# KiCad board motherboard.kicad_pcb (continued)
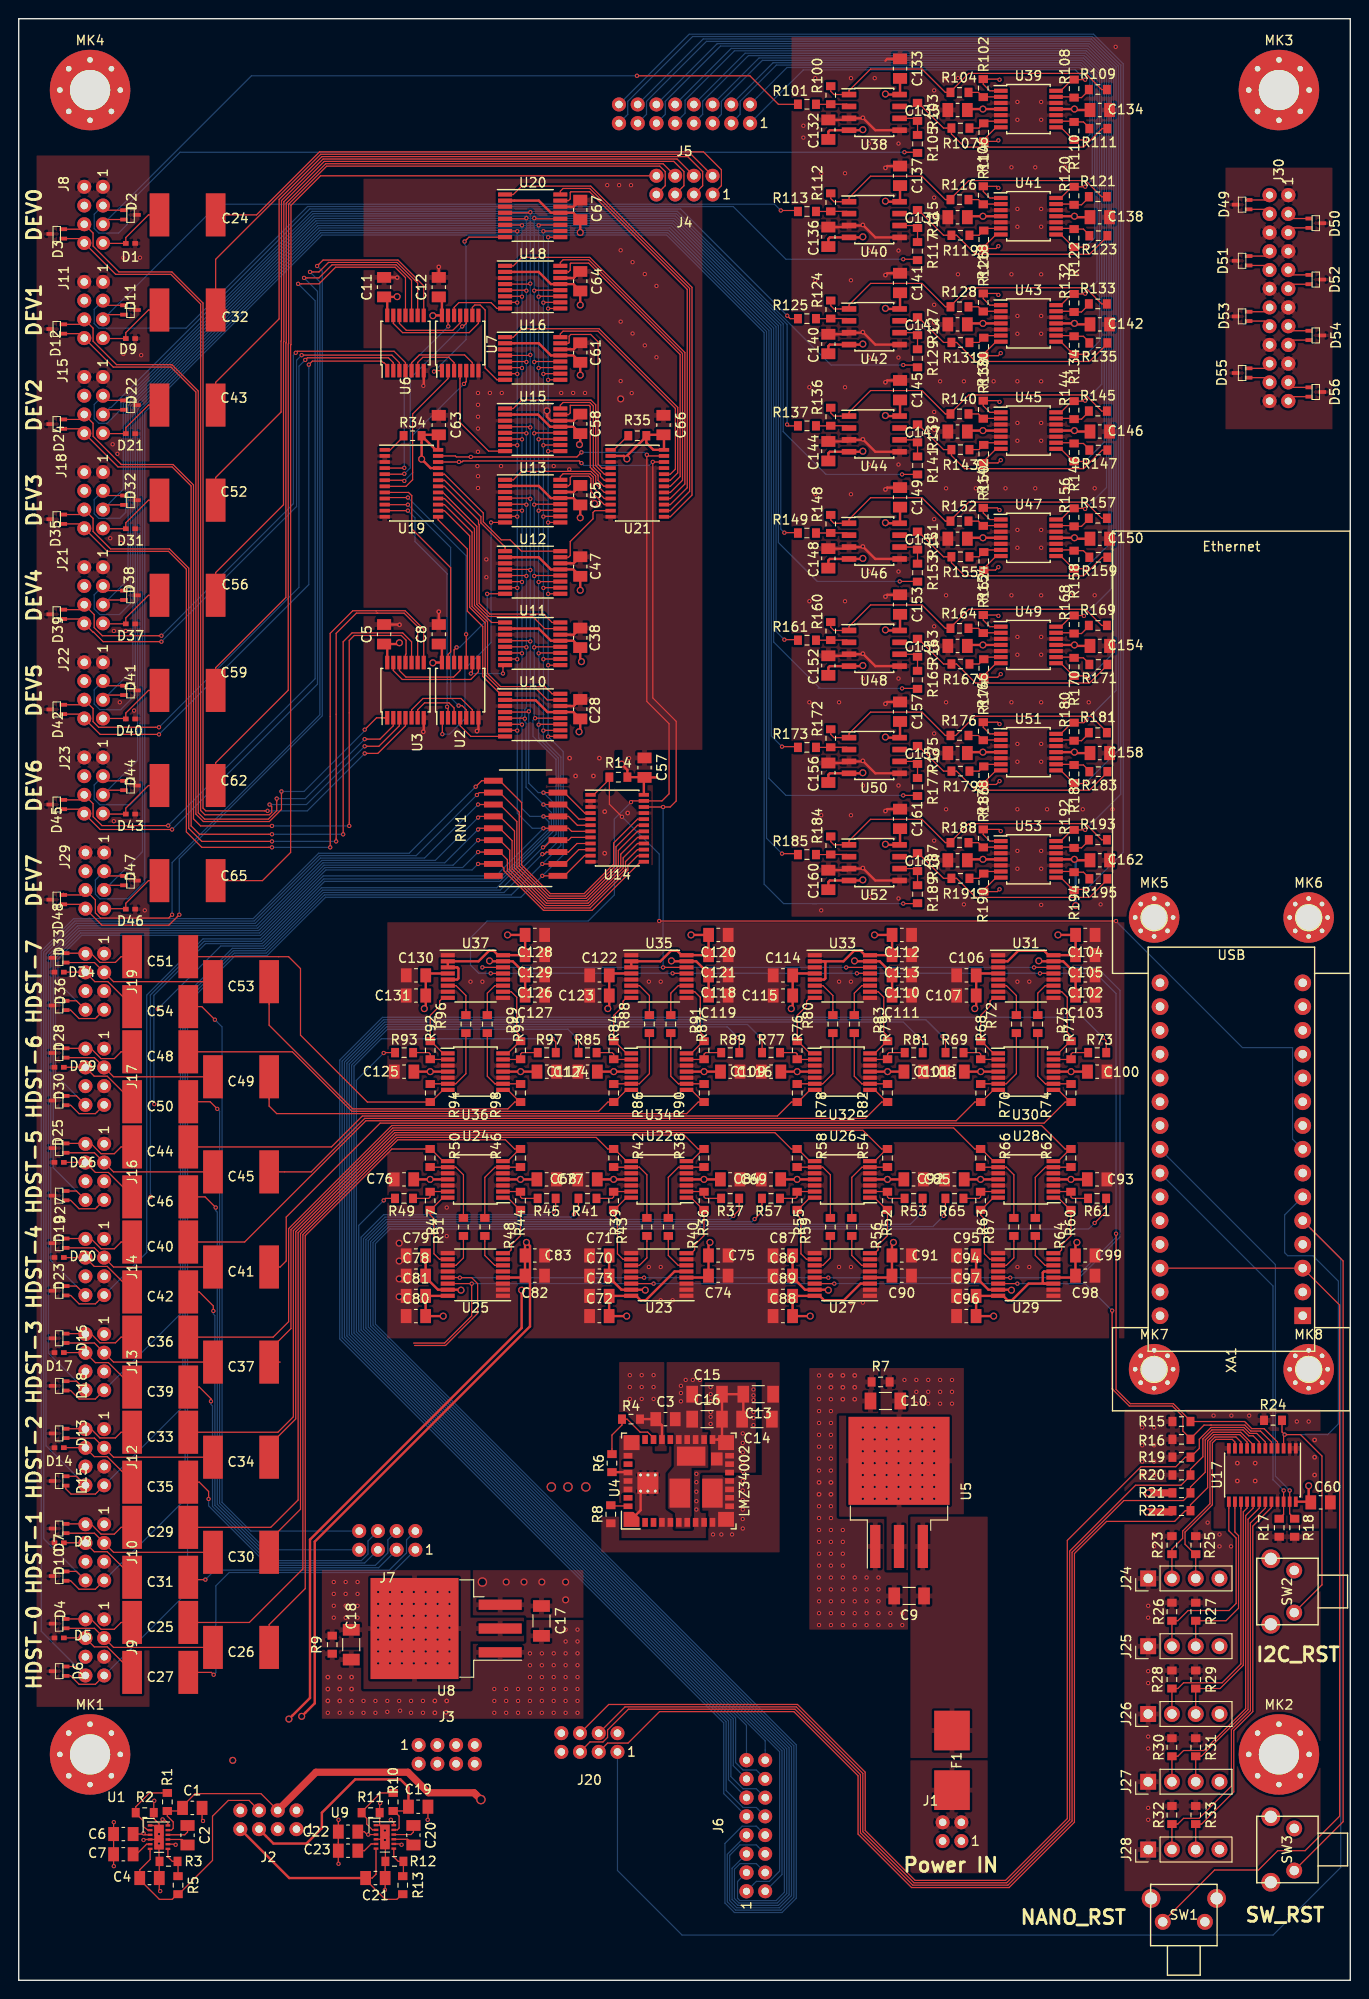
[diagram p0: board, top side]
## Routing (per net, layer and track width the routed paths; a pad name or vN(x,y) marks a point on that pad's centre or on a via; arc(x,y) is an arc through that point) (continued)
  Bottom w0.127: v1(55.07,188.25) v1(55.07,180.5) v1(55.07,172.88) v1(55.07,165.26) v1(55.07,157.64) v1(55.07,150.02) v1(55.07,142.4) 55.07,134.91 v1(55.16,134.83) 54.93,134.6 54.93,132.91 57.4,130.43 57.4,122.43 v1(56.01,121.03) 51.43,116.46 32.45,116.46 26.23,110.24 22.82,110.24 17.27,104.69 17.27,71.18 J13.7 ; v1(55.07,188.25) 56.75,188.25 ; v1(55.07,188.25) 55.07,188.57
/Audio Mux and Control/PTT-4: length 169.8
  Top w0.127: v1(53.25,141.12) 53.23,141.15 U11.7 ; U16.7 53.23,171.63 v1(53.25,171.6) ; U14.7 59.05,122.74 58.73,123.07 RN1.14 v1(56.05,123.07) ; U15.7 53.23,164.01 v1(53.25,163.98) ; U12.7 53.23,148.77 v1(53.25,148.74) ; v1(53.25,156.36) 53.23,156.39 U13.7 ; U18.7 53.23,179.25 v1(53.25,179.22) ; v1(53.25,186.84) 53.23,186.87 U20.7 ; v1(53.25,133.5) 53.23,133.53 U10.7 ; J14.7 8.19,72.26 6.45,72.26 5.54,73.16 D23.1
  Bottom w0.127: v1(53.25,186.84) v1(53.25,179.22) v1(53.25,171.6) v1(53.25,163.98) v1(53.25,156.36) v1(53.25,148.74) v1(53.25,141.12) v1(53.25,133.5) 53.25,124.67 54.86,123.07 v1(56.05,123.07) 50.97,117.98 32.54,117.98 25.81,111.25 19.69,111.25 13.68,105.24 13.68,77.75 J14.7
/Audio Mux and Control/PTT-5: length 168.2
  Top w0.127: U11.6 53.72,141.8 v1(53.76,141.76) ; v1(53.76,164.62) 53.72,164.66 U15.6 ; U14.6 59.67,123.39 58.73,124.34 RN1.15 v1(56.05,124.34) ; J16.7 8.19,82.42 6.45,82.42 5.54,83.32 D27.1 ; v1(53.76,134.14) 53.72,134.18 U10.6 ; U20.6 53.72,187.52 v1(53.76,187.48) ; U12.6 53.72,149.42 v1(53.76,149.38) ; U16.6 53.72,172.28 v1(53.76,172.24) ; v1(53.76,179.86) 53.72,179.9 U18.6 ; v1(53.76,157) 53.72,157.04 U13.6
  In1.Cu w0.127: J16.7 9.46,83.69 v1(14.1,83.69)
  Bottom w0.127: v1(14.1,83.69) 14.1,84.02 14.06,84.05 14.06,105.24 19.81,111 25.91,111 32.57,117.65 51.29,117.65 56.64,123 56.64,123.75 v1(56.05,124.34) 54.61,124.34 53.76,125.18 v1(53.76,134.14) 53.53,134.37 53.53,134.86 53.76,135.09 v1(53.76,141.76) v1(53.76,149.38) v1(53.76,157) v1(53.76,164.62) v1(53.76,172.24) v1(53.76,179.86) v1(53.76,187.48)
/Audio Mux and Control/PTT-6: length 162.5
  Top w0.127: v1(54.23,165.26) 54.18,165.31 U15.5 ; U14.5 59.85,124.04 58.28,125.61 RN1.16 56.05,125.61 v1(56.05,125.6) ; v1(54.23,142.4) 54.18,142.45 U11.5 ; U16.5 54.18,172.93 v1(54.23,172.88) ; U12.5 54.18,150.07 v1(54.23,150.02) ; v1(54.07,134.77) 54.01,134.83 U10.5 ; v1(54.23,157.64) 54.18,157.69 U13.5 ; J17.7 8.19,92.58 6.45,92.58 5.54,93.48 D30.1 ; U18.5 54.18,180.55 v1(54.23,180.5) ; v1(54.23,188.25) 54.15,188.17 U20.5
  In1.Cu w0.127: v1(14.48,93.6) 14.4,93.52 J17.7
  Bottom w0.127: v1(14.48,93.6) 14.48,93.92 14.44,93.96 14.44,105.22 19.96,110.74 26.02,110.74 32.67,117.4 51.4,117.4 56.9,122.9 56.9,124.76 v1(56.05,125.6) 54.19,127.46 54.19,134.33 54.07,134.45 v1(54.07,134.77) 54.07,135.76 54.23,135.92 v1(54.23,142.4) v1(54.23,150.02) v1(54.23,157.64) v1(54.23,165.26) v1(54.23,172.88) v1(54.23,180.5) v1(54.23,188.25) 54.23,188.57
/Audio Mux and Control/PTT-7: length 155.9
  Top w0.127: U18.4 54.59,181.2 v1(54.65,181.26) ; v1(54.65,188.88) 54.59,188.82 U20.4 ; U16.4 54.59,173.58 v1(54.65,173.64) ; v1(56.05,126.88) RN1.17 58.28,126.88 60.47,124.69 U14.4 ; J19.7 8.19,102.74 6.45,102.74 5.54,103.64 D36.1 ; U12.4 54.58,150.72 v1(54.65,150.65) ; v1(54.65,143.03) 54.58,143.1 U11.4 ; U10.4 54.41,135.48 v1(54.49,135.56) ; U15.4 54.58,165.96 v1(54.65,165.89) ; v1(54.65,158.27) 54.58,158.34 U13.4
  In1.Cu w0.127: J19.7 9.21,103.76 v1(14.86,103.76)
  Bottom w0.127: v1(14.86,103.76) 21.59,110.49 26.12,110.49 32.35,116.71 51.07,116.71 57.15,122.79 57.15,125.78 v1(56.05,126.88) 55.5,126.88 54.49,127.89 v1(54.49,135.56) 54.65,135.72 v1(54.65,143.03) v1(54.65,150.65) v1(54.65,158.27) v1(54.65,165.89) v1(54.65,173.64) v1(54.65,181.26) v1(54.65,188.88)
/Audio Mux and Control/PTT-DEV0: length 98.7
  Top w0.127: v1(26.8,125.6) 27.03,125.37 27.03,124.76 26.77,124.51 19.89,124.51 19.43,124.97 19.43,179.07 16.26,182.25 10.35,182.25 J8.8 6.53,186.06 D3.1 ; U3.3 40.66,134.02 38.47,131.83 v1(36.96,131.83)
  Bottom w0.127: v1(26.8,125.6) 30.73,125.6 v1(36.96,131.83)
/Audio Mux and Control/PTT-DEV1: length 88.7
  Top w0.127: D12.1 6.53,175.9 J11.8 10.1,172.34 16.26,172.34 18.92,169.67 18.92,124.59 19.72,123.79 26.77,123.79 28.07,125.09 v1(28.07,127) ; v1(36.96,133.6) 38.22,134.87 U3.1 39.01,134.87
  Bottom w0.127: v1(36.96,133.6) 36.96,133.48 30.48,127 v1(28.07,127)
/Audio Mux and Control/PTT-DEV2: length 100
  Top w0.127: v1(34.66,122.42) 34.66,142.99 35.61,143.94 41.01,143.94 41.96,142.99 U3.10 ; v1(27.05,122.43) 19.3,122.43 18.42,123.32 18.42,159.64 16.38,161.67 10.6,161.67 J15.8 6.53,165.74 D24.1
  Bottom w0.127: v1(27.05,122.43) 34.65,122.43 v1(34.66,122.42)
/Audio Mux and Control/PTT-DEV3: length 97.6
  Top w0.127: v1(27.05,121.03) 19.56,121.03 17.91,122.68 17.91,150.75 16,152.65 9.46,152.65 J18.8 6.53,155.58 D35.1 ; 38.23,146.3 35.69,146.3 33.27,143.89 v1(33.27,121.03) ; 38.23,146.3 41.27,146.3 43.26,144.31 U3.8 ; 38.23,146.3 38.1,146.3
  Bottom w0.127: v1(27.05,121.03) v1(33.27,121.03)
/Audio Mux and Control/PTT-DEV4: length 60.5
  Top w0.127: 40.66,171.34 U6.3 40.66,172.81 39.86,173.61 30.26,173.61 ; v1(15.24,143) 9.02,143 8,144.01 7.94,144.01 J21.8 6.53,145.42 D39.1
  Bottom w0.127: v1(30.23,173.61) 29.68,173.06 29.68,157.44 v1(15.24,143)
/Audio Mux and Control/PTT-DEV5: length 66.5
  Top w0.127: D42.1 6.53,135.26 J22.8 8.7,133.1 v1(14.99,133.1) ; U6.1 39.36,172.46 39.01,172.81 38.94,172.81 38.77,172.97 31.37,172.97 v1(30.99,172.59)
  Bottom w0.127: v1(14.99,133.1) 30.99,149.1 v1(30.99,172.59)
/Audio Mux and Control/PTT-DEV6: length 95
  Top w0.127: v1(16.38,122.94) 8.7,122.94 J23.8 6.53,125.1 D45.1 ; v1(30.48,181.86) 32.07,181.86 33.47,183.26 40.3,183.26 41.96,181.6 U6.10
  Bottom w0.127: v1(16.38,122.94) 31.92,138.47 31.92,180.43 v1(30.48,181.86)
/Audio Mux and Control/PTT-DEV7: length 105.6
  Top w0.127: v1(17.15,113.83) 16.04,112.71 8.89,112.71 J29.8 6.66,114.94 D48.1 ; v1(31.88,183.13) 32.51,183.77 40.51,183.77 43.26,181.02 U6.8
  Bottom w0.127: v1(17.15,113.83) 17.15,119.81 32.42,135.08 32.42,182.59 v1(31.88,183.13)
/Audio Mux and Control/R_OUT0: length 97.1
  Top w0.127: v1(38.99,83.31) 39.2,83.53 R49.2
  Bottom w0.127: v1(38.99,83.31) 36.32,80.64 36.32,69.37 81.28,24.41 81.28,11.66 80.19,10.57 78.8,10.57 J6.1
/Audio Mux and Control/R_OUT1: length 122.5
  Top w0.127: R41.2 59.79,82.31 v1(59.31,81.83)
  Bottom w0.127: J6.3 76.79,10.56 76.79,8.77 77.05,8.51 80.9,8.51 81.79,9.4 81.79,24.62 36.83,69.58 36.83,79.23 39.14,81.53 59.02,81.53 v1(59.31,81.83)
/Audio Mux and Control/R_OUT2: length 145.6
  Top w0.127: v1(78.61,81.32) 79.39,82.1 R57.2
  Bottom w0.127: v1(78.61,81.32) 78.32,81.03 39.35,81.03 37.34,79.02 37.34,69.79 82.3,24.83 82.3,9.14 81.15,8 76.83,8 76.2,8.64 76.2,11.97 J6.5
/Audio Mux and Control/R_OUT3: length 168.7
  Top w0.127: R65.2 98.99,81.85 v1(98.81,81.66)
  Bottom w0.127: v1(98.81,81.66) 97.66,80.52 39.56,80.52 37.85,78.81 37.85,70 82.8,25.04 82.8,8.89 81.41,7.49 76.58,7.49 75.69,8.38 75.69,13.46 J6.7
/Audio Mux and Control/R_OUT4: length 184.9
  Top w0.127: R73.2 116.17,100.37 v1(115.82,100.71)
  Bottom w0.127: J6.9 75.31,19.94 75.31,27.5 34.29,68.52 34.29,98.29 38.87,102.87 113.66,102.87 v1(115.82,100.71)
/Audio Mux and Control/R_OUT5: length 161.9
  Top w0.127: v1(96.14,100.71) 96.57,100.28 R81.2
  Bottom w0.127: J6.11 75.82,21.43 75.82,27.72 34.8,68.74 34.8,98.08 39.08,102.36 94.49,102.36 v1(96.14,100.71)
/Audio Mux and Control/R_OUT6: length 139.3
  Top w0.127: R89.2 76.97,100.58 v1(76.84,100.71)
  Bottom w0.127: v1(76.84,100.71) 75.69,101.85 39.29,101.85 35.31,97.87 35.31,68.95 76.33,27.93 76.33,22.92 J6.13
/Audio Mux and Control/R_OUT7: length 115.6
  Top w0.127: v1(57.02,100.58) 57.37,100.24 R97.2
  Bottom w0.127: J6.15 77.74,27.23 35.81,69.16 35.81,97.66 38.73,100.58 v1(57.02,100.58)
/Audio Mux and Control/RPI-PTT-0: length 28
  Top w0.127: U2.5 47.81,135.72 47.36,136.17 v1(46.99,136.17) ; v1(41.57,157.63) 39.11,157.63 U19.10
  Bottom w0.127: v1(41.57,157.63) 46.14,153.06 46.14,137.02 v1(46.99,136.17)
/Audio Mux and Control/RPI-PTT-1: length 22.7
  Top w0.127: U2.10 47.81,143.78 v1(47.79,143.79) ; U19.9 39.2,158.4 v1(41.57,158.4)
  Bottom w0.127: v1(41.57,158.4) 47.79,152.17 v1(47.79,143.79)
/Audio Mux and Control/RPI-PTT-2: length 22.7
  Top w0.127: U19.8 41.64,158.94 41.99,158.6 41.99,155.06 46.14,150.9 46.14,141.91 45.86,141.62 U2.13
/Audio Mux and Control/RPI-PTT-3: length 26.4
  Top w0.127: U2.2 45.86,135.95 v1(45.76,136.04) ; v1(41.57,157) 39.1,157 U19.11
  Bottom w0.127: v1(41.57,157) 42.33,156.24 42.33,153.7 45.76,150.27 v1(45.76,136.04)
/Audio Mux and Control/RPI-PTT-4: length 16.6
  Top w0.127: U7.5 47.81,170.79 v1(47.56,170.54) ; U19.6 41.12,160.24 v1(41.19,160.17)
  Bottom w0.127: v1(41.19,160.17) 42.08,161.06 42.08,165.06 v1(47.56,170.54)
/Audio Mux and Control/RPI-PTT-5: length 21.8
  Top w0.127: v1(47.37,176.68) 47.48,176.68 47.81,177 U7.10 ; U19.5 41.15,160.89 v1(41.19,160.94)
  Bottom w0.127: v1(47.37,176.68) 41.82,171.12 41.82,161.57 v1(41.19,160.94)
/Audio Mux and Control/RPI-PTT-6: length 20.3
  Top w0.127: v1(41.19,161.57) 41.16,161.54 U19.4 ; v1(45.89,176.68) 45.86,176.71 U7.13
  Bottom w0.127: v1(45.89,176.68) 41.19,171.98 v1(41.19,161.57)
/Audio Mux and Control/RPI-PTT-7: length 16.5
  Top w0.127: U7.2 45.86,171.1 42.08,167.32 42.08,160.3 41.37,159.59 U19.7
/Audio Mux and Control/Stereo Amplifier 0/L_OUT: length 80.6
  Top w0.127: C25.2 24.64,38.23 30.35,43.94 30.35,79.65 40.49,89.79 51.99,89.79 52.97,88.81 R46.1 53.52,88.81 52.22,87.51 U24.7
/Audio Mux and Control/Stereo Amplifier 0/R_OUT: length 65.2
  Top w0.127: U24.8 45.32,87.51 44.03,88.81 R50.1 39.86,88.81 30.61,79.55 30.61,41.85 26.75,37.99 C26.2
/Audio Mux and Control/Stereo Amplifier 1/L_OUT: length 92.2
  Top w0.127: U22.7 71.82,87.51 73.12,88.81 R38.1 72.57,88.81 71.08,90.3 40.28,90.3 29.85,79.86 29.85,51.31 26.92,48.39 C29.2
/Audio Mux and Control/Stereo Amplifier 1/R_OUT: length 76.1
  Top w0.127: U22.8 64.92,87.51 63.63,88.81 R42.1 62.92,88.81 61.69,90.04 40.38,90.04 30.1,79.76 30.1,50.32 26.75,46.97 C30.2
/Audio Mux and Control/Stereo Amplifier 2/L_OUT: length 102.9
  Top w0.127: U26.7 91.42,87.51 92.72,88.81 R54.1 92.17,88.81 90.18,90.8 40.07,90.8 29.34,80.08 29.34,60.2 27.69,58.55 C33.2
/Audio Mux and Control/Stereo Amplifier 2/R_OUT: length 86.3
  Top w0.127: C34.2 26.75,57.13 29.59,59.97 29.59,79.97 40.17,90.55 80.78,90.55 82.52,88.81 R58.1 83.23,88.81 84.52,87.51 U26.8
/Audio Mux and Control/Stereo Amplifier 3/L_OUT: length 112.9
  Top w0.127: C36.2 27.18,68.71 28.83,70.36 28.83,80.29 39.86,91.31 109.27,91.31 111.77,88.81 R62.1 112.32,88.81 111.02,87.51 U28.7
/Audio Mux and Control/Stereo Amplifier 3/R_OUT: length 97.8
  Top w0.127: 27.93,66.04 C37.2 26.75,67.29 29.08,69.62 29.08,80.18 39.96,91.06 99.87,91.06 102.12,88.81 R66.1 102.83,88.81 104.12,87.51 U28.8
/Audio Mux and Control/Stereo Amplifier 4/L_OUT: length 93.3
  Top w0.127: U30.7 104.14,95.12 102.84,93.82 R70.1 102.13,93.82 100.13,91.82 37.08,91.82 24.13,78.87 C40.2
/Audio Mux and Control/Stereo Amplifier 4/R_OUT: length 98.1
  Top w0.127: C41.2 27.93,76.2 28.57,76.85 28.57,81.53 38.61,91.57 109.53,91.57 111.79,93.82 R74.1 112.34,93.82 111.04,95.12 U30.8
/Audio Mux and Control/Stereo Amplifier 5/L_OUT: length 69.4
  Top w0.127: U32.7 84.54,95.12 83.24,93.82 R78.1 82.53,93.82 81.04,92.33 36.7,92.33 33.4,89.03 C44.2
/Audio Mux and Control/Stereo Amplifier 5/R_OUT: length 71.6
  Top w0.127: C45.2 31.24,86.36 36.96,92.08 90.44,92.08 92.19,93.82 R82.1 92.74,93.82 91.44,95.12 U32.8
/Audio Mux and Control/Stereo Amplifier 6/L_OUT: length 50.9
  Top w0.127: C48.2 29.23,99.19 35.58,92.84 61.95,92.84 62.93,93.82 R86.1 63.64,93.82 64.94,95.12 U34.7
/Audio Mux and Control/Stereo Amplifier 6/R_OUT: length 55.3
  Top w0.127: 26.75,94.09 C49.2 26.75,93.39 27.56,92.58 71.35,92.58 72.59,93.82 R90.1 73.14,93.82 71.84,95.12 U34.8
/Audio Mux and Control/Stereo Amplifier 7/L_OUT: length 38.9
  Top w0.127: C51.2 28.83,109.35 30.1,108.08 30.1,100.97 37.24,93.82 R94.1 44.04,93.82 45.34,95.12 U36.7
/Audio Mux and Control/Stereo Amplifier 7/R_OUT: length 40.4
  Top w0.127: U36.8 52.24,95.12 53.54,93.82 R98.1 52.99,93.82 52.26,93.09 35.69,93.09 26.75,102.03 C53.2 26.75,104.25
Net-(C2-Pad1): length 2.9
  Top w0.127: U1.10 17.74,15.54 18.03,15.84 C2.1
Net-(C2-Pad2): length 2.3
  Top w0.127: U1.9 17.45,15.04 C2.2
Net-(C7-Pad1): length 2.3
  Top w0.127: U1.5 13.66,14.54 12.58,13.46 C7.1
Net-(C20-Pad1): length 2.9
  Top w0.127: C20.1 42.16,15.84 41.89,15.57 U9.10
Net-(C20-Pad2): length 2.4
  Top w0.127: U9.9 41.55,15.07 C20.2
Net-(C23-Pad1): length 2.2
  Top w0.127: C23.1 36.92,13.84 37.64,14.57 U9.5
Net-(C24-Pad2): length 7.7
  Top w0.127: J8.7 9.05,185.55 D1.1 11.44,186.18 13.86,188.6 C24.2
Net-(C25-Pad1): length 7.9
  Top w0.127: C25.1 10.94,38.23 10.21,37.5 8.8,37.5 7.74,38.56 J9.2 7.09,38.6 D4.2
Net-(C26-Pad1): length 16.6
  Top w0.127: D4.1 8.09,37.6 J9.3 10.13,35.56 C26.1
Net-(C27-Pad1): length 8.9
  Top w0.127: C27.1 12.11,32.97 9.46,35.62 8.07,35.62 J9.4 7.11,36.58 D5.2
Net-(C29-Pad1): length 7.9
  Top w0.127: C29.1 10.94,48.39 10.21,47.66 8.8,47.66 7.74,48.72 J10.2 7.09,48.76 D7.2
Net-(C30-Pad1): length 16.6
  Top w0.127: D7.1 8.09,47.76 J10.3 10.13,45.72 C30.1
Net-(C31-Pad1): length 8.9
  Top w0.127: C31.1 12.11,43.13 9.46,45.78 8.07,45.78 J10.4 7.11,46.74 D8.2
Net-(C32-Pad2): length 7.7
  Top w0.127: J11.7 9.05,175.39 D9.1 11.44,176.02 13.86,178.44 C32.2
Net-(C33-Pad1): length 7.8
  Top w0.127: D13.2 7.09,58.92 J12.2 7.74,58.88 8.68,57.94 10.33,57.94 10.94,58.55 C33.1
Net-(C34-Pad1): length 16.6
  Top w0.127: C34.1 10.13,55.88 J12.3 8.09,57.92 D13.1
Net-(C35-Pad1): length 8.9
  Top w0.127: D14.2 7.11,56.9 J12.4 8.07,55.94 9.46,55.94 12.11,53.29 C35.1
Net-(C36-Pad1): length 7.8
  Top w0.127: C36.1 10.94,68.71 10.33,68.1 8.68,68.1 7.74,69.04 J13.2 7.09,69.08 D16.2
Net-(C37-Pad1): length 16.6
  Top w0.127: C37.1 10.13,66.04 J13.3 8.09,68.08 D16.1
Net-(C39-Pad1): length 8.9
  Top w0.127: D17.2 7.11,67.06 J13.4 8.19,65.98 9.58,65.98 12.11,63.45 C39.1
Net-(C40-Pad1): length 7.9
  Top w0.127: C40.1 10.94,78.87 10.21,78.14 8.8,78.14 7.74,79.2 J14.2 7.09,79.24 D19.2
Net-(C41-Pad1): length 16.6
  Top w0.127: C41.1 10.13,76.2 J14.3 8.09,78.24 D19.1
Net-(C42-Pad1): length 8.9
  Top w0.127: D20.2 4.83,77.2 J14.4 8.07,76.26 9.46,76.26 12.11,73.61 C42.1
Net-(C43-Pad2): length 7.7
  Top w0.127: C43.2 13.86,168.28 11.44,165.86 D21.1 9.05,165.23 J15.7
Net-(C44-Pad1): length 7.9
  Top w0.127: D25.2 7.09,89.4 J16.2 7.74,89.36 8.8,88.3 10.21,88.3 10.94,89.03 C44.1
Net-(C45-Pad1): length 16.6
  Top w0.127: C45.1 10.13,86.36 J16.3 8.09,88.4 D25.1
Net-(C46-Pad1): length 8.9
  Top w0.127: C46.1 12.11,83.77 9.58,86.3 8.19,86.3 J16.4 7.11,87.38 D26.2
Net-(C48-Pad1): length 7.9
  Top w0.127: D28.2 7.09,99.56 J17.2 7.74,99.52 8.8,98.46 10.21,98.46 10.94,99.19 C48.1
Net-(C49-Pad1): length 16.6
  Top w0.127: D28.1 8.09,98.56 J17.3 10.13,96.52 C49.1
Net-(C50-Pad1): length 8.9
  Top w0.127: D29.2 7.11,97.54 J17.4 8.07,96.58 9.46,96.58 12.11,93.93 C50.1
Net-(C51-Pad1): length 7.8
  Top w0.127: D33.2 7.09,109.72 J19.2 7.74,109.68 8.68,108.74 10.33,108.74 10.94,109.35 C51.1
Net-(C52-Pad2): length 7.7
  Top w0.127: J18.7 9.05,155.07 D31.1 11.44,155.7 13.86,158.12 C52.2
Net-(C53-Pad1): length 16.6
  Top w0.127: D33.1 8.09,108.72 J19.3 10.13,106.68 C53.1
Net-(C54-Pad1): length 8.9
  Top w0.127: C54.1 12.11,104.09 9.52,106.68 8.13,106.68 J19.4 7.11,107.7 D34.2
Net-(C56-Pad2): length 7.7
  Top w0.127: C56.2 13.86,147.96 11.44,145.54 D37.1 9.05,144.91 J21.7
Net-(C59-Pad2): length 7.8
  Top w0.127: J22.7 11.39,134.8 D40.1 11.44,135.38 13.86,137.8 C59.2
  Top w0.254: D40.1 11.44,134.63
Net-(C62-Pad2): length 7.7
  Top w0.127: C62.2 13.86,127.64 11.44,125.22 D43.1 9.05,124.59 J23.7
Net-(C65-Pad2): length 7.6
  Top w0.127: J29.7 11.39,114.48 D46.1 11.44,115.06 13.86,117.48 C65.2
Net-(R1-Pad2): length 7.3
  Top w0.127: R1.2 13.98,20.01 12.5,18.53 R2.1 12.5,17.83 13.34,16.99 13.34,16.38 13.74,16.1 13.8,16.04 U1.2
Net-(R3-Pad2): length 3.7
  Top w0.127: R5.1 17.02,12.65 R3.2 16.41,12.7 15.94,13.18 U1.7
Net-(R4-Pad2): length 8.6
  Top w0.127: R6.1 63.37,58.25 64.44,59.32 R4.2 64.99,59.94 66.38,58.56 67.19,58.56 67.81,57.94 67.81,57.76
Net-(R8-Pad1): length 1.8
  Top w0.127: U4.36 65.05,50.67 63.32,50.67
Net-(R10-Pad2): length 7
  Top w0.127: U9.2 37.79,16.07 37.18,16.68 37.18,17.28 36.63,17.83 R11.1 36.63,17.98 38.66,20.01 R10.2
Net-(R12-Pad2): length 3.7
  Top w0.127: R13.1 41.09,11.2 R12.2 40.54,12.7 40.07,13.18 U9.7
Net-(R34-Pad2): length 2.7
  Top w0.127: U19.1 39.69,163.49 41.11,164.92 R34.2
Net-(R35-Pad2): length 2.5
  Top w0.127: U21.1 63.58,163.49 65.08,165 R35.2
Net-(R36-Pad1): length 8.1
  Top w0.127: U23.8 71.85,77.67 72.2,78.03 72.2,78.55 73.2,79.55 R36.1 73.12,82.31 71.82,83.61 U22.1
Net-(R36-Pad2): length 4.3
  Top w0.127: R37.1 73.36,83.53 73.2,83.69 R36.2 73.18,84.26 U22.2
Net-(R38-Pad2): length 8.6
  Top w0.127: R40.1 69.39,85.78 70.47,86.86 U22.6 73.18,86.86 R38.2
Net-(R39-Pad1): length 9
  Top w0.127: U23.10 64.55,77.02 63.96,77.61 63.96,81.35 63.55,81.76 R39.1 63.63,82.31 64.92,83.61 U22.14
Net-(R39-Pad2): length 4.3
  Top w0.127: R41.1 63.39,83.53 63.55,83.69 R39.2 63.57,84.26 U22.13
Net-(R40-Pad2): length 4.5
  Top w0.127: U23.6 70.45,76.37 69.39,77.43 R40.2
Net-(R42-Pad2): length 8.5
  Top w0.127: R42.2 63.57,86.86 U22.9 66.3,86.86 67.1,86.05 R43.1
Net-(R43-Pad2): length 4.4
  Top w0.127: U23.11 66.3,76.37 67.1,77.18 R43.2
Net-(R44-Pad1): length 8.1
  Top w0.127: U25.8 52.25,77.67 52.6,78.03 52.6,78.55 53.6,79.55 R44.1 53.52,82.31 52.22,83.61 U24.1
Net-(R44-Pad2): length 4.3
  Top w0.127: U24.2 53.58,84.26 R44.2 53.6,83.69 53.76,83.53 R45.1
Net-(R46-Pad2): length 8.6
  Top w0.127: R46.2 53.58,86.86 U24.6 50.87,86.86 49.79,85.78 R48.1
Net-(R47-Pad1): length 9
  Top w0.127: U24.14 45.32,83.61 44.03,82.31 R47.1 43.95,81.76 44.36,81.35 44.36,77.61 44.95,77.02 U25.10
Net-(R47-Pad2): length 4.3
  Top w0.127: R49.1 43.79,83.53 43.95,83.69 R47.2 43.97,84.26 U24.13
Net-(R48-Pad2): length 4.5
  Top w0.127: U25.6 50.85,76.37 49.79,77.43 R48.2
Net-(R50-Pad2): length 8.5
  Top w0.127: R50.2 43.97,86.86 U24.9 46.7,86.86 47.5,86.05 R51.1
Net-(R51-Pad2): length 4.4
  Top w0.127: U25.11 46.7,76.37 47.5,77.18 R51.2
Net-(R52-Pad1): length 8.1
  Top w0.127: U27.8 91.45,77.67 91.8,78.03 91.8,78.55 92.8,79.55 R52.1 92.72,82.31 91.42,83.61 U26.1
Net-(R52-Pad2): length 4.3
  Top w0.127: U26.2 92.78,84.26 R52.2 92.8,83.69 92.96,83.53 R53.1
Net-(R54-Pad2): length 8.6
  Top w0.127: R56.1 88.99,85.78 90.07,86.86 U26.6 92.78,86.86 R54.2
Net-(R55-Pad1): length 9
  Top w0.127: U27.10 84.15,77.02 83.56,77.61 83.56,81.35 83.15,81.76 R55.1 83.23,82.31 84.52,83.61 U26.14
Net-(R55-Pad2): length 4.3
  Top w0.127: U26.13 83.17,84.26 R55.2 83.15,83.69 82.99,83.53 R57.1
Net-(R56-Pad2): length 4.5
  Top w0.127: R56.2 88.99,77.43 90.05,76.37 U27.6
Net-(R58-Pad2): length 8.5
  Top w0.127: R58.2 83.17,86.86 U26.9 85.9,86.86 86.7,86.05 R59.1
Net-(R59-Pad2): length 4.4
  Top w0.127: R59.2 86.7,77.18 85.9,76.37 U27.11
Net-(R60-Pad1): length 8.1
  Top w0.127: U28.1 111.02,83.61 112.32,82.31 R60.1 112.4,79.55 111.4,78.55 111.4,78.03 111.05,77.67 U29.8
Net-(R60-Pad2): length 4.3
  Top w0.127: R61.1 112.56,83.53 112.4,83.69 R60.2 112.38,84.26 U28.2
Net-(R62-Pad2): length 8.6
  Top w0.127: R62.2 112.38,86.86 U28.6 109.67,86.86 108.59,85.78 R64.1
Net-(R63-Pad1): length 9
  Top w0.127: U29.10 103.75,77.02 103.16,77.61 103.16,81.35 102.75,81.76 R63.1 102.83,82.31 104.12,83.61 U28.14
Net-(R63-Pad2): length 4.3
  Top w0.127: U28.13 102.77,84.26 R63.2 102.75,83.69 102.59,83.53 R65.1
Net-(R64-Pad2): length 4.5
  Top w0.127: R64.2 108.59,77.43 109.65,76.37 U29.6
Net-(R66-Pad2): length 8.5
  Top w0.127: R67.1 106.3,86.05 105.5,86.86 U28.9 102.77,86.86 R66.2
Net-(R67-Pad2): length 4.4
  Top w0.127: R67.2 106.3,77.18 105.5,76.37 U29.11
Net-(R68-Pad1): length 8.1
  Top w0.127: U30.1 104.14,99.02 102.84,100.32 R68.1 102.76,103.08 103.76,104.08 103.76,104.6 104.11,104.95 U31.8
Net-(R68-Pad2): length 4.3
  Top w0.127: R69.1 102.6,99.1 102.76,98.94 R68.2 102.78,98.37 U30.2
Net-(R70-Pad2): length 8.6
  Top w0.127: R70.2 102.78,95.77 U30.6 105.49,95.77 106.57,96.85 R72.1
Net-(R71-Pad1): length 9
  Top w0.127: U30.14 111.04,99.02 112.34,100.32 R71.1 112.41,100.87 112,101.28 112,105.01 111.41,105.6 U31.10
Net-(R71-Pad2): length 4.3
  Top w0.127: U30.13 112.39,98.37 R71.2 112.41,98.94 112.57,99.1 R73.1
Net-(R72-Pad2): length 4.5
  Top w0.127: R72.2 106.57,105.2 105.51,106.25 U31.6
Net-(R74-Pad2): length 8.5
  Top w0.127: R74.2 112.39,95.77 U30.9 109.67,95.77 108.86,96.58 R75.1
Net-(R75-Pad2): length 4.4
  Top w0.127: R75.2 108.86,105.45 109.66,106.25 U31.11
Net-(R76-Pad1): length 8.1
  Top w0.127: U32.1 84.54,99.02 83.24,100.32 R76.1 83.16,103.08 84.16,104.08 84.16,104.6 84.51,104.95 U33.8
Net-(R76-Pad2): length 4.3
  Top w0.127: U32.2 83.18,98.37 R76.2 83.16,98.94 83,99.1 R77.1
Net-(R78-Pad2): length 8.6
  Top w0.127: R80.1 86.97,96.85 85.89,95.77 U32.6 83.18,95.77 R78.2
Net-(R79-Pad1): length 9
  Top w0.127: U33.10 91.81,105.6 92.4,105.01 92.4,101.28 92.81,100.87 R79.1 92.74,100.32 91.44,99.02 U32.14
Net-(R79-Pad2): length 4.3
  Top w0.127: U32.13 92.79,98.37 R79.2 92.81,98.94 92.97,99.1 R81.1
Net-(R80-Pad2): length 4.5
  Top w0.127: R80.2 86.97,105.2 85.91,106.25 U33.6
Net-(R82-Pad2): length 8.5
  Top w0.127: R82.2 92.79,95.77 U32.9 90.07,95.77 89.26,96.58 R83.1
Net-(R83-Pad2): length 4.4
  Top w0.127: U33.11 90.06,106.25 89.26,105.45 R83.2
Net-(R84-Pad1): length 8.1
  Top w0.127: U34.1 64.94,99.02 63.64,100.32 R84.1 63.56,103.08 64.56,104.08 64.56,104.6 64.91,104.95 U35.8
Net-(R84-Pad2): length 4.3
  Top w0.127: R85.1 63.4,99.1 63.56,98.94 R84.2 63.58,98.37 U34.2
Net-(R86-Pad2): length 8.6
  Top w0.127: R88.1 67.37,96.85 66.29,95.77 U34.6 63.58,95.77 R86.2
Net-(R87-Pad1): length 9
  Top w0.127: U34.14 71.84,99.02 73.14,100.32 R87.1 73.21,100.87 72.8,101.28 72.8,105.01 72.21,105.6 U35.10
Net-(R87-Pad2): length 4.3
  Top w0.127: U34.13 73.19,98.37 R87.2 73.21,98.94 73.37,99.1 R89.1
Net-(R88-Pad2): length 4.5
  Top w0.127: R88.2 67.37,105.2 66.31,106.25 U35.6
Net-(R90-Pad2): length 8.5
  Top w0.127: R90.2 73.19,95.77 U34.9 70.47,95.77 69.66,96.58 R91.1
Net-(R91-Pad2): length 4.4
  Top w0.127: U35.11 70.46,106.25 69.66,105.45 R91.2
Net-(R92-Pad1): length 8.1
  Top w0.127: U36.1 45.34,99.02 44.04,100.32 R92.1 43.96,103.08 44.96,104.08 44.96,104.6 45.31,104.95 U37.8
Net-(R92-Pad2): length 4.3
  Top w0.127: R93.1 43.8,99.1 43.96,98.94 R92.2 43.98,98.37 U36.2
Net-(R94-Pad2): length 8.6
  Top w0.127: R96.1 47.77,96.85 46.69,95.77 U36.6 43.98,95.77 R94.2
Net-(R95-Pad1): length 9
  Top w0.127: U37.10 52.61,105.6 53.2,105.01 53.2,101.28 53.61,100.87 R95.1 53.54,100.32 52.24,99.02 U36.14
Net-(R95-Pad2): length 4.3
  Top w0.127: U36.13 53.59,98.37 R95.2 53.61,98.94 53.77,99.1 R97.1
Net-(R96-Pad2): length 4.5
  Top w0.127: U37.6 46.71,106.25 47.77,105.2 R96.2
Net-(R98-Pad2): length 8.5
  Top w0.127: R98.2 53.59,95.77 U36.9 50.87,95.77 50.06,96.58 R99.1
Net-(R99-Pad2): length 4.4
  Top w0.127: R99.2 50.06,105.45 50.86,106.25 U37.11
Net-(R100-Pad1): length 34.2
  Top w0.127: R100.1 86.74,201.8 87.09,201.45 U38.1 88.7,201.88 91,204.18 96.48,204.18 98.98,201.68 R104.2 99.53,201.76 101.49,203.71 113.96,203.71 115.69,201.98 R109.2
Net-(R100-Pad2): length 3.6
  Top w0.127: R101.1 86.73,200.41 R100.2 88.46,200.42 U38.2
Net-(R102-Pad2): length 3.7
  Top w0.127: R104.1 102.53,201.68 R102.2 103.06,201.2 U39.2
Net-(R103-Pad1): length 25.5
  Top w0.127: U38.7 95.62,200.18 R103.1 96.09,200.57 98.79,197.87 R107.2 99.63,197.24 101.04,195.84 113.76,195.84 115.74,197.82 R111.2
Net-(R103-Pad2): length 3.5
  Top w0.127: R105.1 R103.2 95.74,198.91 U38.6
Net-(R106-Pad2): length 3.7
  Top w0.127: U39.6 103.31,198.6 R106.2 102.58,197.87 R107.1
Net-(R108-Pad2): length 3.9
  Top w0.127: R109.1 114.31,201.91 113.53,201.12 R108.2 112.66,201.2 U39.13
Net-(R110-Pad2): length 3.9
  Top w0.127: R111.1 114.37,197.89 113.73,198.53 R110.2 112.66,198.6 U39.9
Net-(R112-Pad1): length 34.2
  Top w0.127: R112.1 86.74,190.35 87.09,190 U40.1 88.7,190.43 91,192.73 96.48,192.73 98.98,190.23 R116.2 99.53,190.31 101.49,192.26 113.96,192.26 115.69,190.53 R121.2
Net-(R112-Pad2): length 3.6
  Top w0.127: R113.1 86.73,188.96 R112.2 88.46,188.97 U40.2
Net-(R114-Pad2): length 3.7
  Top w0.127: U41.2 103.06,189.75 R114.2 102.53,190.23 R116.1
Net-(R115-Pad1): length 25.2
  Top w0.127: R123.2 116.29,186.29 114.39,184.39 102.22,184.39 100.18,186.42 R119.2 98.79,186.42 96.09,189.12 R115.1 95.62,188.73 U40.7
Net-(R115-Pad2): length 3.5
  Top w0.127: R117.1 R115.2 95.74,187.46 U40.6
Net-(R118-Pad2): length 3.7
  Top w0.127: R119.1 102.58,186.42 R118.2 103.31,187.15 U41.6
Net-(R120-Pad2): length 3.9
  Top w0.127: R121.1 114.31,190.46 113.53,189.67 R120.2 112.66,189.75 U41.13
